# KiCad board ts52k.kicad_pcb
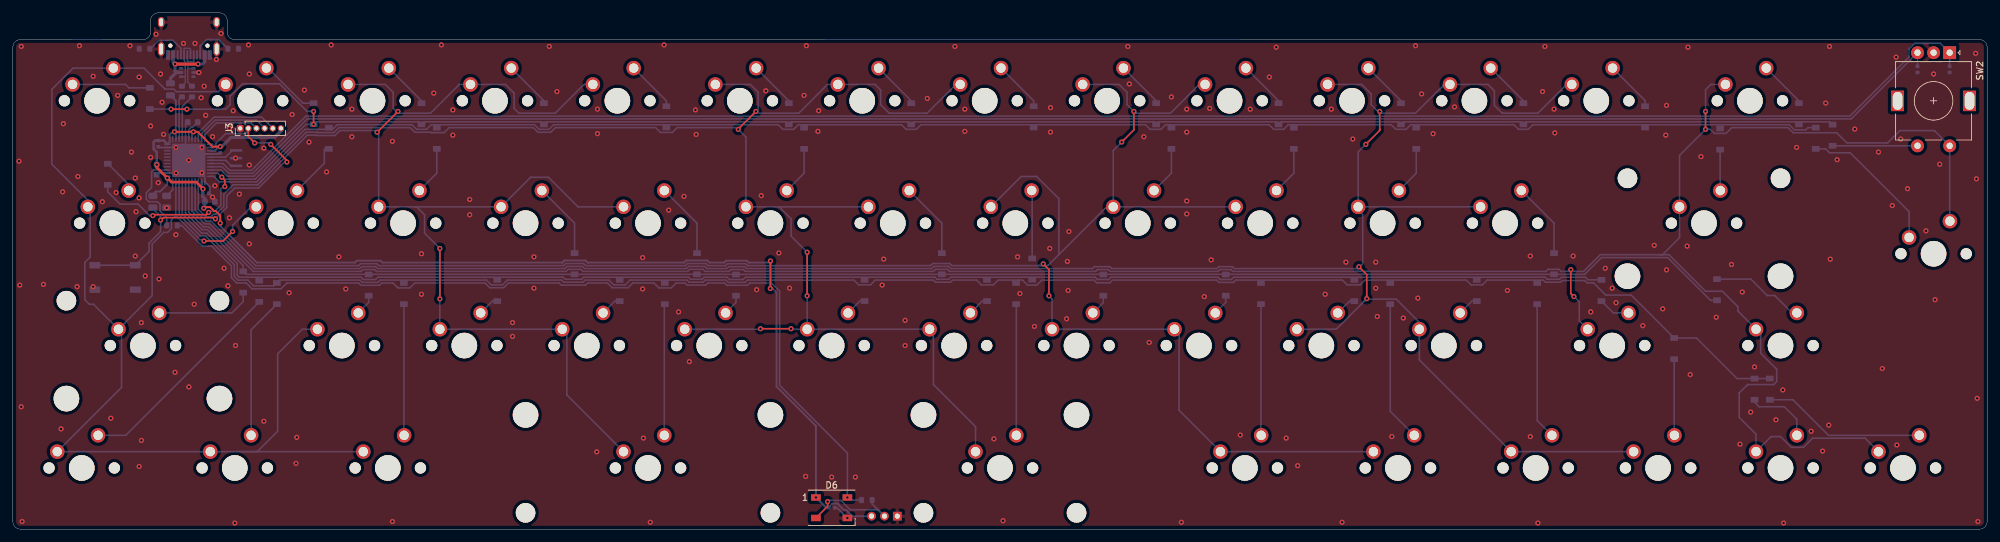
[diagram p0: board, top side]
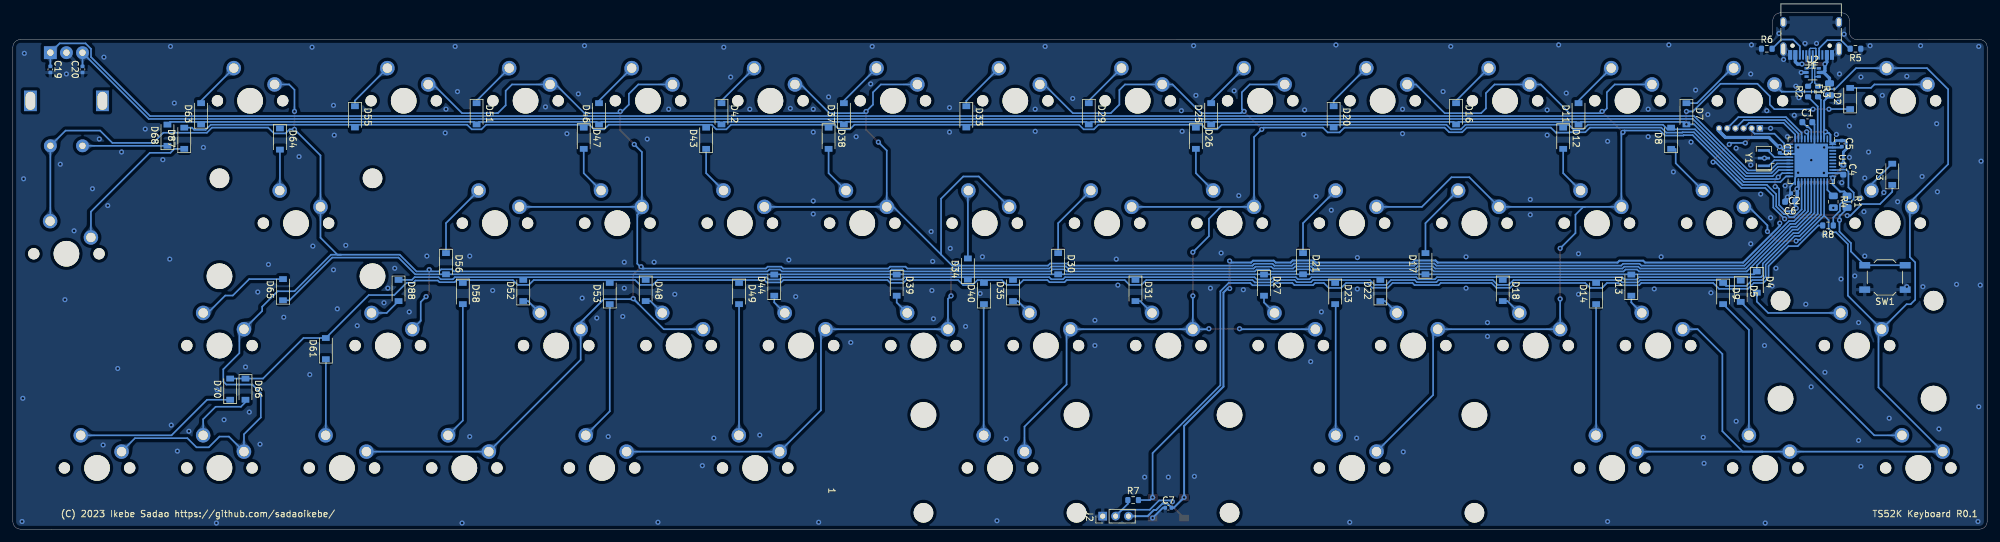
[diagram p1: board, bottom side, seen from below]

Outline 307.18 x 80.36 mm; copper layers: Top, Bottom. Coordinates in mm from the lower left corner of the outline.
Outline path: 0,75.01 arc(0.35,75.85) 1.19,76.2 20.25,76.19 arc(21.09,76.54) 21.44,77.38 21.44,79.17 arc(21.79,80.01) 22.63,80.36 32.16,80.36 arc(33,80.01) 33.35,79.17 33.35,77.38 arc(33.69,76.54) 34.54,76.19 305.99,76.2 arc(306.83,75.85) 307.18,75.01 307.18,1.19 arc(306.83,0.35) 305.99,0 301.23,0 1.19,0 arc(0.35,0.35) 0,1.19 0,75.01
Stack: Top 0.035mm / dielectric 1.51mm FR4 er 4.5 / Bottom 0.035mm

## Placement (name value [footprint] x y rotation side)
C1  1u  [C_0603_1608Metric]  27.98 63.34 180 bottom
C2  0.1u  [C_0402_1005Metric]  30 52.27 0 bottom
C3  0.1u  [C_0402_1005Metric]  32.27 59.06 270 bottom
C4  0.1u  [C_0603_1608Metric]  22.38 55.96 270 bottom
C5  0.1u  [C_0402_1005Metric]  22.62 60.01 270 bottom
C6  4.7u  [C_0603_1608Metric]  30.66 50.96 0 bottom
C7  0.1u  [C_0402_1005Metric]  127.4 3.33 180 bottom
C19  0.1u  [C_0402_1005Metric]  301.35 71.56 270 bottom
C20  0.1u  [C_0402_1005Metric]  296.35 71.56 90 bottom
D2  D  [D_SOD-123]  21.31 67.03 90 bottom
D3  D  [D_SOD-123]  14.76 55.23 90 bottom
D4  D  [D_SOD-123]  35.84 38.46 270 bottom
D5  D  [D_SOD-123]  38.34 37.03 270 bottom
D6  WS2812B  [LED_WS2812B_PLCC4_5.0x5.0mm_P3.2mm]  127.4 3.33 0 top
D7  D  [D_SOD-123]  46.79 64.65 270 bottom
D8  D  [D_SOD-123]  49.17 60.84 90 bottom
D9  D  [D_SOD-123]  41.08 36.67 270 bottom
D11  D  [D_SOD-123]  63.58 64.65 90 bottom
D12  D  [D_SOD-123]  65.96 60.84 270 bottom
D13  D  [D_SOD-123]  55.36 37.98 90 bottom
D14  D  [D_SOD-123]  60.84 36.67 90 bottom
D16  D  [D_SOD-123]  82.63 64.65 270 bottom
D17  D  [D_SOD-123]  87.39 41.31 90 bottom
D18  D  [D_SOD-123]  75.37 37.15 270 bottom
D20  D  [D_SOD-123]  101.68 64.17 270 bottom
D21  D  [D_SOD-123]  106.44 41.31 270 bottom
D22  D  [D_SOD-123]  94.42 37.15 90 bottom
D23  D  [D_SOD-123]  101.44 36.67 270 bottom
D25  D  [D_SOD-123]  120.73 64.65 90 bottom
D26  D  [D_SOD-123]  123.11 60.84 270 bottom
D27  D  [D_SOD-123]  112.51 37.98 270 bottom
D29  D  [D_SOD-123]  139.78 64.65 270 bottom
D30  D  [D_SOD-123]  144.54 41.31 270 bottom
D31  D  [D_SOD-123]  132.52 37.15 270 bottom
D33  D  [D_SOD-123]  158.83 64.17 270 bottom
D34  D  [D_SOD-123]  158.59 40.48 90 bottom
D35  D  [D_SOD-123]  151.57 37.15 90 bottom
D37  D  [D_SOD-123]  177.88 64.65 90 bottom
D38  D  [D_SOD-123]  180.26 60.84 270 bottom
D39  D  [D_SOD-123]  169.66 37.98 270 bottom
D40  D  [D_SOD-123]  156.09 36.67 90 bottom
D42  D  [D_SOD-123]  196.93 64.65 270 bottom
D43  D  [D_SOD-123]  199.31 60.84 90 bottom
D44  D  [D_SOD-123]  188.71 37.98 90 bottom
D46  D  [D_SOD-123]  215.98 64.65 90 bottom
D47  D  [D_SOD-123]  218.36 60.84 270 bottom
D48  D  [D_SOD-123]  208.72 37.15 270 bottom
D49  D  [D_SOD-123]  194.19 36.67 270 bottom
D51  D  [D_SOD-123]  235.03 64.65 270 bottom
D52  D  [D_SOD-123]  227.77 37.15 90 bottom
D53  D  [D_SOD-123]  214.31 36.67 90 bottom
D55  D  [D_SOD-123]  253.96 64.17 270 bottom
D56  D  [D_SOD-123]  239.79 41.31 270 bottom
D58  D  [D_SOD-123]  237.17 36.67 270 bottom
D61  D  [D_SOD-123]  258.49 28.1 90 bottom
D63  D  [D_SOD-123]  277.89 64.65 90 bottom
D64  D  [D_SOD-123]  265.63 60.72 270 bottom
D65  D  [D_SOD-123]  265.15 37.27 90 bottom
D66  D  [D_SOD-123]  270.99 21.79 270 bottom
D68  D  [D_SOD-123]  283.13 61.32 90 bottom
D70  D  [D_SOD-123]  273.37 21.79 90 bottom
D87  D  [D_SOD-123]  280.51 60.84 90 bottom
D88  D  [D_SOD-123]  247.17 37.15 270 bottom
F1  Resettable Fuse  [Fuse_0805_2012Metric]  24.53 68.45 90 bottom
J1  HRO_TYPE-C-31-M-12  [USB_C_Receptacle_HRO_TYPE-C-31-M-12]  27.39 77.86 0 bottom
J2  RGB  [PinHeader_1x03_P2.00mm_Vertical]  137.61 2.02 90 bottom
J3  ISP  [PinHeader_1x06_P1.27mm_Vertical]  35.36 62.39 90 top
MX2  MX-NoLED  [MXOnly-1.5U-NoLED]  13.1 66.68 0 top
MX3  MX-NoLED  [MXOnly-1.75U-NoLED]  15.48 47.63 0 top
MX4  MX-NoLED  [MXOnly-2.25U-NoLED]  20.24 28.58 0 top
MX5  MX-NoLED  [MXOnly-1.25U-NoLED]  10.72 9.53 0 top
MX7  MX-NoLED  [MXOnly-1U-NoLED]  36.91 66.68 0 top
MX8  MX-NoLED  [MXOnly-1U-NoLED]  41.67 47.63 0 top
MX9  MX-NoLED  [MXOnly-1.25U-NoLED]  34.53 9.53 0 top
MX11  MX-NoLED  [MXOnly-1U-NoLED]  55.96 66.68 0 top
MX12  MX-NoLED  [MXOnly-1U-NoLED]  60.72 47.63 0 top
MX13  MX-NoLED  [MXOnly-1U-NoLED]  51.2 28.58 0 top
MX14  MX-NoLED  [MXOnly-1.25U-NoLED]  58.34 9.53 0 top
MX16  MX-NoLED  [MXOnly-1U-NoLED]  75.01 66.68 0 top
MX17  MX-NoLED  [MXOnly-1U-NoLED]  79.77 47.63 0 top
MX18  MX-NoLED  [MXOnly-1U-NoLED]  70.25 28.58 0 top
MX20  MX-NoLED  [MXOnly-1U-NoLED]  94.06 66.68 0 top
MX21  MX-NoLED  [MXOnly-1U-NoLED]  98.82 47.63 0 top
MX22  MX-NoLED  [MXOnly-1U-NoLED]  89.3 28.58 0 top
MX23  MX-NoLED  [MXOnly-3U-ReversedStabilizers-NoLED]  98.82 9.53 0 top
MX25  MX-NoLED  [MXOnly-1U-NoLED]  113.11 66.68 0 top
MX26  MX-NoLED  [MXOnly-1U-NoLED]  117.87 47.63 0 top
MX27  MX-NoLED  [MXOnly-1U-NoLED]  108.35 28.58 0 top
MX29  MX-NoLED  [MXOnly-1U-NoLED]  132.16 66.68 0 top
MX30  MX-NoLED  [MXOnly-1U-NoLED]  136.92 47.63 0 top
MX31  MX-NoLED  [MXOnly-1U-NoLED]  127.4 28.58 0 top
MX33  MX-NoLED  [MXOnly-1U-NoLED]  151.21 66.68 0 top
MX34  MX-NoLED  [MXOnly-1U-NoLED]  155.97 47.63 0 top
MX35  MX-NoLED  [MXOnly-1U-NoLED]  146.45 28.58 0 top
MX37  MX-NoLED  [MXOnly-1U-NoLED]  170.26 66.68 0 top
MX38  MX-NoLED  [MXOnly-1U-NoLED]  175.02 47.63 0 top
MX39  MX-NoLED  [MXOnly-1U-NoLED]  165.5 28.58 0 top
MX42  MX-NoLED  [MXOnly-1U-NoLED]  189.31 66.68 0 top
MX43  MX-NoLED  [MXOnly-1U-NoLED]  194.07 47.63 0 top
MX44  MX-NoLED  [MXOnly-1U-NoLED]  184.55 28.58 0 top
MX46  MX-NoLED  [MXOnly-1U-NoLED]  208.36 66.68 0 top
MX47  MX-NoLED  [MXOnly-1U-NoLED]  213.12 47.63 0 top
MX48  MX-NoLED  [MXOnly-1U-NoLED]  203.6 28.58 0 top
MX51  MX-NoLED  [MXOnly-1U-NoLED]  227.41 66.68 0 top
MX52  MX-NoLED  [MXOnly-1U-NoLED]  222.65 28.58 0 top
MX55  MX-NoLED  [MXOnly-1U-NoLED]  246.37 66.68 0 top
MX56  MX-NoLED  [MXOnly-1U-NoLED]  232.17 47.63 0 top
MX58  MX-NoLED  [MXOnly-1U-NoLED]  236.93 9.53 0 top
MX60  MX-NoLED  [MXOnly-2.75U-ReversedStabilizers-NoLED]  153.59 9.53 0 top
MX61  MX-NoLED  [MXOnly-1U-NoLED]  255.98 9.53 0 top
MX64  MX-NoLED  [MXOnly-1.5U-NoLED]  270.27 66.68 0 top
MX65  MX-NoLED  [MXOnly-2.25U-NoLED]  263.13 47.63 0 top
MX66  MX-NoLED  [MXOnly-1U-NoLED]  275.03 28.58 0 top
MX67  MX-NoLED  [MXOnly-1U-NoLED]  275.03 9.53 0 top
MX71  MX-NoLED  [MXOnly-1U-NoLED]  294.08 9.53 0 top
MX74  MX-NoLED  [MXOnly-1U-NoLED]  298.85 42.86 0 top
MX75  MX-NoLED  [MXOnly-1.75U-NoLED]  248.84 28.58 0 top
MX81  MX-NoLED  [MXOnly-1.25U-NoLED]  191.69 9.53 0 top
MX82  MX-NoLED  [MXOnly-1.25U-NoLED]  215.5 9.53 0 top
R1  10k  [R_0805_2012Metric]  21.79 50.96 270 bottom
R2  22  [R_0603_1608Metric]  27.86 68.11 90 bottom
R3  22  [R_0603_1608Metric]  26.31 68.11 90 bottom
R4  10k  [R_0805_2012Metric]  23.93 50.96 270 bottom
R5  5.1k  [R_0603_1608Metric]  20.49 74.77 0 bottom
R6  5.1k  [R_0603_1608Metric]  34.28 74.77 180 bottom
R7  Open  [R_0603_1608Metric]  132.87 4.52 180 bottom
R8  330  [R_0603_1608Metric]  24.77 47.27 0 bottom
SW1  SW_SPST  [SW_SPST_TL3342]  15.9 39.18 0 bottom
SW2  RotaryEncoder_Switch  [RotaryEncoder_Alps_EC11E-Switch_Vertical_H20mm]  301.35 74.16 270 top
U1  ATMEGA32U4  [QFN-44-1EP_7x7mm_P0.5mm_EP5.2x5.2mm]  27.37 57.4 270 bottom
U2  TPD4E1U06  [SOT-363_SC-70-6]  27.15 71.08 180 bottom
Y1  CSTNE16  [Resonator_SMD_muRata_CSTxExxV-3Pin_3.0x1.1mm]  34.73 57.75 90 bottom

## Library data of the parts
C1 = -: LCSC: C15849
C2-C5 C7 C19 C20 = -: LCSC: C1525
C6 = -: LCSC: C19666
D2-D5 D7-D9 D11-D14 D16-D18 D20-D23 D25-D27 D29-D31 D33-D35 D37-D40 D42-D44 D46-D49 D51-D53 D55 D56 D58 D61 D63-D66 D68 D70 D87 D88 = -: LCSC: C81598
D6 = -: LCSC: C114586
F1 = -: LCSC: C269104; MPN: SMD0805B050TF
J1 = -: LCSC: C165948
R1 R4 = -: LCSC: C17414
R2 R3 = -: LCSC: C23345
R5 R6 = -: LCSC: C23186
R8 = -: LCSC: C23138
SW1 = -: LCSC: C318884
U1 = -: LCSC: C112161; SKU: 310010010
U2 = -: LCSC: C194628; MPN: TPD4E1U06DBV
Y1 = -: LCSC: C341521; MPN: CSTNE16M0V530000R0

## Footprints (pads in the part's own frame, mm; a bottom-side part is the same pattern mirrored in y, then rotated)
C_0402_1005Metric
  rrect 0.56x0.62 smd: 1(-0.48,0) 2(0.48,0)
C_0603_1608Metric
  rrect 0.9x0.95 smd: 1(-0.775,0) 2(0.775,0)
D_SOD-123
  rect 0.9x1.2 smd: 1(-1.65,0) 2(1.65,0)
Fuse_0805_2012Metric
  rrect 0.975x1.4 smd: 1(-0.938,0) 2(0.938,0)
LED_WS2812B_PLCC4_5.0x5.0mm_P3.2mm
  rect 1.5x1 smd: 1(-2.45,1.6) 2(-2.45,-1.6) 3(2.45,-1.6) 4(2.45,1.6)
MXOnly-1.5U-NoLED
  round 1.75 hole 1.75 unplated: (-5.08,0) (5.08,0)
  round 3.988 hole 3.988 unplated: (0,0)
  round 2.25 hole 1.47: 1(-3.81,2.54) 2(2.54,5.08)
MXOnly-1.25U-NoLED
  round 1.75 hole 1.75 unplated: (-5.08,0) (5.08,0)
  round 3.988 hole 3.988 unplated: (0,0)
  round 2.25 hole 1.47: 1(-3.81,2.54) 2(2.54,5.08)
MXOnly-1.75U-NoLED
  round 1.75 hole 1.75 unplated: (-5.08,0) (5.08,0)
  round 3.988 hole 3.988 unplated: (0,0)
  round 2.25 hole 1.47: 1(-3.81,2.54) 2(2.54,5.08)
MXOnly-1U-NoLED
  round 1.75 hole 1.75 unplated: (-5.08,0) (5.08,0)
  round 3.988 hole 3.988 unplated: (0,0)
  round 2.25 hole 1.47: 1(-3.81,2.54) 2(2.54,5.08)
MXOnly-2.25U-NoLED
  round 3.048 hole 3.048 unplated: (-11.906,6.985) (11.906,6.985)
  round 3.988 hole 3.988 unplated: (-11.906,-8.255) (0,0) (11.906,-8.255)
  round 1.75 hole 1.75 unplated: (-5.08,0) (5.08,0)
  round 2.25 hole 1.47: 1(-3.81,2.54) 2(2.54,5.08)
MXOnly-2.75U-ReversedStabilizers-NoLED
  round 3.988 hole 3.988 unplated: (-11.906,8.255) (0,0) (11.906,8.255)
  round 3.048 hole 3.048 unplated: (-11.906,-6.985) (11.906,-6.985)
  round 1.75 hole 1.75 unplated: (-5.08,0) (5.08,0)
  round 2.25 hole 1.47: 1(-3.81,2.54) 2(2.54,5.08)
MXOnly-3U-ReversedStabilizers-NoLED
  round 3.988 hole 3.988 unplated: (-19.05,8.255) (0,0) (19.05,8.255)
  round 3.048 hole 3.048 unplated: (-19.05,-6.985) (19.05,-6.985)
  round 1.75 hole 1.75 unplated: (-5.08,0) (5.08,0)
  round 2.25 hole 1.47: 1(-3.81,2.54) 2(2.54,5.08)
PinHeader_1x03_P2.00mm_Vertical
  rect 1.35x1.35 hole 0.8: 1(0,0)
  oval 1.35x1.35 hole 0.8: 2(0,-2) 3(0,-4)
PinHeader_1x06_P1.27mm_Vertical
  rect 1x1 hole 0.65: 1(0,0)
  oval 1x1 hole 0.65: 2(0,-1.27) 3(0,-2.54) 4(0,-3.81) 5(0,-5.08) 6(0,-6.35)
QFN-44-1EP_7x7mm_P0.5mm_EP5.2x5.2mm
  rrect 1.05x1.05 smd: (-1.95,-1.95) (-1.95,-0.65) (-1.95,0.65) (-1.95,1.95) (-0.65,-1.95) (-0.65,-0.65) (-0.65,0.65) (-0.65,1.95) (0.65,-1.95) (0.65,-0.65) (0.65,0.65) (0.65,1.95) (1.95,-1.95) (1.95,-0.65) (1.95,0.65) (1.95,1.95)
  rrect 1.075x0.25 smd: 1(-3.337,2.5) 2(-3.337,2) 3(-3.337,1.5) 4(-3.337,1) 5(-3.337,0.5) 6(-3.337,0) 7(-3.337,-0.5) 8(-3.337,-1) 9(-3.337,-1.5) 10(-3.337,-2) 11(-3.337,-2.5) 23(3.337,-2.5) 24(3.337,-2) 25(3.337,-1.5) 26(3.337,-1) 27(3.337,-0.5) 28(3.337,0) 29(3.337,0.5) 30(3.337,1) 31(3.337,1.5) 32(3.337,2) 33(3.337,2.5)
  rrect 0.25x1.075 smd: 12(-2.5,-3.337) 13(-2,-3.337) 14(-1.5,-3.337) 15(-1,-3.337) 16(-0.5,-3.337) 17(0,-3.337) 18(0.5,-3.337) 19(1,-3.337) 20(1.5,-3.337) 21(2,-3.337) 22(2.5,-3.337) 34(2.5,3.337) 35(2,3.337) 36(1.5,3.337) 37(1,3.337) 38(0.5,3.337) 39(0,3.337) 40(-0.5,3.337) 41(-1,3.337) 42(-1.5,3.337) 43(-2,3.337) 44(-2.5,3.337)
  rect 5.2x5.2 smd: 45(0,0)
R_0603_1608Metric
  rrect 0.8x0.95 smd: 1(-0.825,0) 2(0.825,0)
R_0805_2012Metric
  rrect 1.025x1.4 smd: 1(-0.912,0) 2(0.912,0)
Resonator_SMD_muRata_CSTxExxV-3Pin_3.0x1.1mm
  rect 0.4x1.9 smd: 1(-1.2,0) 2(0,0) 3(1.2,0)
RotaryEncoder_Alps_EC11E-Switch_Vertical_H20mm
  rect 2x2 hole 1: A(0,0)
  round 2 hole 1: B(0,-5) C(0,-2.5) S1(14.5,-5) S2(14.5,0)
  rect 3.2x2 hole 2.8x1.5: MP(7.5,3.1) MP(7.5,-8.1)
SOT-363_SC-70-6
  rect 0.65x0.4 smd: 1(-0.95,0.65) 2(-0.95,0) 3(-0.95,-0.65) 4(0.95,-0.65) 5(0.95,0) 6(0.95,0.65)
SW_SPST_TL3342
  rect 1.7x1 smd: 1(-3.15,1.9) 1(3.15,1.9) 2(-3.15,-1.9) 2(3.15,-1.9)
USB_C_Receptacle_HRO_TYPE-C-31-M-12
  round 0.65 hole 0.65 unplated: (-2.89,2.6) (2.89,2.6)
  rect 0.6x1.45 smd: A1(-3.25,4.045) A4(-2.45,4.045) A9(2.45,4.045) A12(3.25,4.045) B1(3.25,4.045) B4(2.45,4.045) B9(-2.45,4.045) B12(-3.25,4.045)
  rect 0.3x1.45 smd: A5(-1.25,4.045) A6(-0.25,4.045) A7(0.25,4.045) A8(1.25,4.045) B5(1.75,4.045) B6(0.75,4.045) B7(-0.75,4.045) B8(-1.75,4.045)
  oval 1x1.6 hole 0.6x1.2: S1(-4.32,-1.05) S1(4.32,-1.05)
  oval 1x2.1 hole 0.6x1.7: S1(-4.32,3.13) S1(4.32,3.13)

## Nets
+5V: C2.1 C3.1 C4.1 C5.1 C6.1 C7.2 D6.1 F1.1 J2.3 J3.6 R1.1 U1.2 U1.7 U1.14 U1.24 U1.34 U1.44
GND: C1.2 C2.2 C3.2 C4.2 C5.2 C6.2 C7.1 C19.2 C20.1 D6.3 J1.A1 J1.A12 J1.B1 J1.B12 J1.S1 J2.1 J3.1 R4.2 R5.1 R6.1 SW1.1 SW2.C U1.5 U1.15 U1.23 U1.35 U1.43 U1.45 U2.2 Y1.2
VCC: F1.2 J1.A4 J1.A9 J1.B4 J1.B9 U2.5
col1: MX2.2 MX3.1 MX4.1 MX5.1 MX7.1 MX8.1 MX9.1 MX13.1 MX14.1 U1.32
col2: MX11.1 MX12.1 MX16.1 MX17.1 MX18.1 MX20.1 MX21.1 MX22.1 MX23.1 U1.25
col3: MX25.1 MX26.1 MX27.1 MX29.1 MX30.1 MX31.1 MX33.1 MX35.1 MX60.1 U1.22
col4: MX34.1 MX37.1 MX38.1 MX39.1 MX42.1 MX43.1 MX44.1 MX81.1 MX82.1 U1.26
col5: MX46.1 MX47.1 MX48.1 MX51.1 MX52.1 MX55.1 MX56.1 MX58.1 MX61.1 U1.27
col6: MX64.1 MX65.1 MX66.1 MX67.1 MX71.1 MX74.2 MX75.1 SW2.S2 U1.28
D+: J1.A6 J1.B6 R2.2 U2.1
D-: J1.A7 J1.B7 R3.2 U2.4
MISO: J3.3 U1.11
MOSI: J3.4 U1.10
RESET: J3.2 R1.2 SW1.2 U1.13
RGB: R8.1 U1.36
RGB2: D6.2 J2.2 R7.1
row1: D2.1 D7.2 D11.1 D16.2 D25.1 D29.2 D37.1 D42.2 D46.1 D51.2 D63.1 D68.2 U1.20
row2: D3.1 D8.2 D12.1 D20.2 D26.1 D33.2 D38.1 D43.2 D47.1 D55.2 D64.1 D87.2 U1.21
row3: D4.1 D13.2 D17.1 D21.2 D27.1 D30.2 D39.1 D44.2 D56.2 D65.1 U1.29
row4: D5.1 D18.1 D22.2 D31.1 D34.1 D35.2 D48.1 D52.2 D88.1 U1.30
row5: D9.1 D14.2 D23.1 D40.2 D49.1 D53.2 D58.1 D61.2 D66.1 D70.2 U1.31
rpg1: C19.1 SW2.A U1.18
rpg2: C20.2 SW2.B U1.19
SCLK: J3.5 U1.9
Net-(C1-Pad1): C1.1 U1.6
Net-(D2-Pad2): D2.2 MX2.1
Net-(D3-Pad2): D3.2 MX3.2
Net-(D4-Pad2): D4.2 MX4.2
Net-(D5-Pad2): D5.2 MX5.2
Net-(D6-Pad4): D6.4 R7.2 R8.2
Net-(D7-Pad1): D7.1 MX7.2
Net-(D8-Pad1): D8.1 MX8.2
Net-(D9-Pad2): D9.2 MX9.2
Net-(D11-Pad2): D11.2 MX11.2
Net-(D12-Pad2): D12.2 MX12.2
Net-(D13-Pad1): D13.1 MX13.2
Net-(D14-Pad1): D14.1 MX14.2
Net-(D16-Pad1): D16.1 MX16.2
Net-(D17-Pad2): D17.2 MX17.2
Net-(D18-Pad2): D18.2 MX18.2
Net-(D20-Pad1): D20.1 MX20.2
Net-(D21-Pad1): D21.1 MX21.2
Net-(D22-Pad1): D22.1 MX22.2
Net-(D23-Pad2): D23.2 MX23.2
Net-(D25-Pad2): D25.2 MX25.2
Net-(D26-Pad2): D26.2 MX26.2
Net-(D27-Pad2): D27.2 MX27.2
Net-(D29-Pad1): D29.1 MX29.2
Net-(D30-Pad1): D30.1 MX30.2
Net-(D31-Pad2): D31.2 MX31.2
Net-(D33-Pad1): D33.1 MX33.2
Net-(D34-Pad2): D34.2 MX34.2
Net-(D35-Pad1): D35.1 MX35.2
Net-(D37-Pad2): D37.2 MX37.2
Net-(D38-Pad2): D38.2 MX38.2
Net-(D39-Pad2): D39.2 MX39.2
Net-(D40-Pad1): D40.1 MX60.2
Net-(D42-Pad1): D42.1 MX42.2
Net-(D43-Pad1): D43.1 MX43.2
Net-(D44-Pad1): D44.1 MX44.2
Net-(D46-Pad2): D46.2 MX46.2
Net-(D47-Pad2): D47.2 MX47.2
Net-(D48-Pad2): D48.2 MX48.2
Net-(D49-Pad2): D49.2 MX81.2
Net-(D51-Pad1): D51.1 MX51.2
Net-(D52-Pad1): D52.1 MX52.2
Net-(D53-Pad1): D53.1 MX82.2
Net-(D55-Pad1): D55.1 MX55.2
Net-(D56-Pad1): D56.1 MX56.2
Net-(D58-Pad2): D58.2 MX58.2
Net-(D61-Pad1): D61.1 MX61.2
Net-(D63-Pad2): D63.2 MX64.2
Net-(D64-Pad2): D64.2 MX65.2
Net-(D65-Pad2): D65.2 MX66.2
Net-(D66-Pad2): D66.2 MX67.2
Net-(D68-Pad1): D68.1 SW2.S1
Net-(D70-Pad1): D70.1 MX71.2
Net-(D87-Pad1): D87.1 MX74.1
Net-(D88-Pad2): D88.2 MX75.2
Net-(J1-PadA5): J1.A5 R5.2
Net-(J1-PadB5): J1.B5 R6.2
Net-(R2-Pad1): R2.1 U1.4
Net-(R3-Pad1): R3.1 U1.3
Net-(R4-Pad1): R4.1 U1.33
Net-(U1-Pad16): U1.16 Y1.3
Net-(U1-Pad17): U1.17 Y1.1

Pads without a net: J1 A8 B8; SW2 MP; U1 1 8 12 37 38 39 40 41 42; U2 3 6

## Via types
v1: diameter 0.8, hole 0.4, Top to Bottom, 290 vias

## Routing (per net, layer and track width the routed paths; a pad name or vN(x,y) marks a point on that pad's centre or on a via; arc(x,y) is an arc through that point)
+5V: length 202.7
  Top w0.3: v1(32.27,47.63) 32.27,48.81 31.55,49.53 31.3,49.53 30.7,50.13 29.88,50.13 v1(29.7,49.95) ; v1(32.28,59.53) 31.07,59.53 28.76,61.84 v1(28.09,61.84) v1(25.14,61.84) ; v1(117.85,37.45) 117.87,37.47 v1(117.87,41.74)
  Top w0.4: v1(22.38,56.73) 22.38,56.3 v1(24.03,54.65) 24.05,54.65 24.68,54.02 28.54,54.02 v1(29.59,52.96)
  Bottom w0.3: F1.1 25.37,66.67 25.37,61.67 ; U1.14 31.48,58.9 32.11,59.54 ; v1(25.14,61.84) 24.97,61.67 24.67,61.67 ; C7.2 126.55,3.33 v1(124.95,4.93) 124.95,16.07 118.83,22.19 118.83,36.83 118.21,37.45 v1(117.85,37.45) ; 24.67,61.67 24.39,61.39 24.39,60.23 24.07,59.9 U1.44 ; 24.67,61.67 25.37,61.67 ; 32.1,59.54 32.15,59.54 ; 21.55,51.87 22.23,52.55 22.9,52.55 24.03,53.67 U1.34 ; 85.5,41.49 85.83,41.81 ; 85.5,41.49 57.51,41.49 57.22,41.78 53.51,41.78 53.22,41.49 37.96,41.49 32.27,47.19 v1(32.27,47.63) ; 85.5,41.49 85.83,41.81 ; v1(28.09,61.84) 27.87,61.62 U1.7 ; 85.83,41.81 89.09,41.81 89.42,41.49 104.44,41.49 104.77,41.81 108.05,41.81 108.37,41.49 110.7,41.49 110.99,41.78 114.22,41.78 114.51,41.49 117.62,41.49 v1(117.87,41.74) ; U1.2 25.37,61.67 ; 29.52,52.74 29.37,52.9 U1.24 29.37,53.19 v1(29.59,52.96) ; 126.92,3.38 127.53,3.99 128.29,3.99 129.31,2.98 129.66,2.98 130.62,2.02 J2.3
  Bottom w0.4: v1(29.7,49.95) 29.88,50.13 C6.1 ; 24.03,59.95 23.49,60.49 C5.1 22.15,60.49 21.91,60.25 21.91,59.17 22.38,58.69 v1(22.38,56.73)
  Bottom w0.5: C3.1 32.51,59.54 33.93,60.96 40.72,60.96 41.67,61.91 ; 40.84,61.08 41.87,62.11 ; 29.88,51.44 29.52,51.79 29.52,52.74
GND: length 34.4
  Bottom w0.25: C1.2 26.87,63 U1.5 26.87,57.9 U1.45 27.37,57.17 v1(29.41,55.48) 29.87,54.67 U1.23 29.87,54.07 30.66,53.28 30.66,52.09
  Bottom w0.3: U1.45 28.37,58.4 U1.15 32.09,58.4 C3.2 ; U1.45 v1(27.36,57.43) v1(25.37,59.4) U1.43 22.75,59.4 ; U1.45 v1(25.4,55.44) 25.37,55.4 U1.35 22.82,55.4 ; v1(129.85,1.73) 128.25,3.33 C7.1
  Bottom w0.35: C2.2 31.43,51.32 C6.2
  Bottom w0.5: v1(28.93,71.08) U2.2
  vias: v1(0.95,57.27) v1(1.07,37.98) v1(1.31,75.13) v1(1.31,19.05) v1(1.43,1.19) v1(4.76,38.1) v1(7.5,15.6) v1(7.74,52.51) v1(7.86,63.1) v1(10,37.74) v1(10.12,54.89) v1(10.36,75.25) v1(12.5,70.49) v1(12.5,37.74) v1(13.93,50.96) v1(15.24,17.26) v1(16.07,52.39) v1(16.31,67.51) v1(18.22,75.25) v1(18.45,58.7) v1(19.05,54.65) v1(19.05,42.51) v1(19.17,49.41) v1(19.65,70.37) v1(19.65,51.55) v1(19.65,9.76) v1(20,32.15) v1(20,13.81) v1(20.6,39.41) v1(21.43,62.75) v1(21.43,57.86) v1(22.26,77.03) v1(22.62,53.94) v1(22.74,38.93) v1(22.98,70.84) v1(23.22,66.44) v1(23.46,61.44) v1(23.93,50.01) v1(25.24,24.41) v1(25.36,45.84) v1(26.55,75.61) v1(27.38,22.15) v1(28.22,35) v1(28.34,75.61) v1(29.29,67.15) v1(29.41,59.41) v1(29.77,68.94) v1(30,64.41) v1(31.08,61.08) v1(31.08,51.67) v1(31.43,53.46) v1(31.67,73.1) v1(32.39,77.15) v1(32.86,40.6) v1(33.46,37.86) v1(33.69,62.39) v1(33.69,48.46) v1(34.29,65.13) v1(34.53,0.95) v1(34.65,57.75) v1(34.65,28.58) v1(35.24,52.15) v1(36.67,75.37) v1(36.79,70.84) v1(36.79,56.67) v1(36.79,44.41) v1(39.05,59.29) v1(39.05,16.79) v1(42.98,36.79) v1(43.46,64.53) v1(44.05,10.24) v1(44.17,14.29) v1(45.36,68.34) v1(46.08,60.25) v1(48.82,55.6) v1(49.53,75.37) v1(50.72,42.39) v1(51.79,37.39) v1(52.74,65.37) v1(52.74,61.08) v1(59.06,60.36) v1(59.06,1.19) v1(63.58,42.86) v1(63.58,36.55) v1(65.48,67.87) v1(66.68,75.37) v1(68.46,65.25) v1(68.46,61.32) v1(71.08,51.32) v1(71.08,48.93) v1(77.75,32.15) v1(77.75,30) v1(81.08,42.39) v1(81.08,37.5) v1(83.46,75.13) v1(84.65,68.1) v1(90.85,12.03) v1(90.96,65.37) v1(90.96,61.56) v1(97.99,42.27) v1(97.99,37.39) v1(98.11,14.17) v1(99.18,1.07) v1(101.32,75.37) v1(102.04,49.65) v1(103.58,33.81) v1(104.42,51.79) v1(105.25,26.07) v1(106.2,65.25) v1(106.32,61.44) v1(115.73,37.27) v1(116.44,51.91) v1(117.16,68.22) v1(119.18,42.98) v1(120.85,37.5) v1(123.11,67.51) v1(123.35,8.22) v1(123.47,75.25) v1(125.25,61.91) v1(125.37,65.13) v1(127.4,8.1) v1(131.09,8.1) v1(135.26,37.98) v1(135.49,42.03) v1(138.83,32.5) v1(138.83,28.58) v1(142.28,67.03) v1(146.57,75.13) v1(148.11,65.37) v1(148.11,61.91) v1(152.64,14.05) v1(154.07,1.31) v1(156.33,42.39) v1(156.69,36.67) v1(158.95,31.55) v1(161.33,43.7) v1(161.45,65.6) v1(161.45,61.79) v1(163.95,32.74) v1(164.07,41.67) v1(164.19,37.15) v1(164.31,46.32) v1(173.47,75.13) v1(173.71,69.29) v1(175.98,61.08) v1(176.81,29.05) v1(180.26,67.27) v1(181.81,1.07) v1(182.64,65.37) v1(182.64,61.79) v1(182.64,51.08) v1(182.64,49.05) v1(185.38,36.2) v1(186.21,65.48) v1(186.45,41.91) v1(190.98,14.64) v1(192.52,65.37) v1(195.5,70.37) v1(196.57,75.01) v1(198.12,14.17) v1(199.91,9.88) v1(204.19,36.55) v1(205.15,65.37) v1(206.81,1.07) v1(207.41,41.55) v1(208.48,60.72) v1(212.05,41.55) v1(212.05,37.5) v1(212.29,33.1) v1(214.55,14.41) v1(216.34,32.86) v1(218.24,75.25) v1(218.6,35.96) v1(219.19,67.75) v1(220.98,61.56) v1(224.31,65.72) v1(232.53,37.15) v1(236.1,42.51) v1(236.1,14.41) v1(237.29,0.95) v1(238.01,68.1) v1(238.36,75.13) v1(239.79,65.37) v1(239.91,61.67) v1(242.77,42.51) v1(245.51,33.81) v1(247.77,40.6) v1(248.84,37.5) v1(249.44,35.24) v1(253.6,31.67) v1(255.39,44.17) v1(256.7,34.29) v1(257.18,61.32) v1(257.3,65.96) v1(257.3,40.36) v1(260.51,44.05) v1(260.63,75.01) v1(260.99,24.05) v1(262.65,57.98) v1(265.03,32.98) v1(267.42,41.2) v1(268.73,13.22) v1(269.08,36.91) v1(270.39,18.22) v1(270.99,25.24) v1(274.32,17.03) v1(275.39,21.67) v1(275.51,0.95) v1(277.54,59.41) v1(279.8,15.24) v1(281.58,12.14) v1(282.06,66.32) v1(282.54,16.19) v1(282.66,75.13) v1(282.77,42.03) v1(283.85,57.51) v1(286.58,62.27) v1(290.28,58.7) v1(290.87,25) v1(292.42,50.36) v1(293.01,73.46) v1(293.13,13.1) v1(293.73,60.72) v1(294.8,52.98) v1(297.66,46.43) v1(298.85,70.84) v1(299.09,35.72) v1(299.8,56.79) v1(305.4,74.06) v1(305.52,54.53) v1(305.63,20.36) v1(305.75,1.19)
VCC: length 12.3
  Top w0.5: v1(25.24,72.39) v1(28.81,72.39)
  Bottom w0.5: J1.A9 29.84,72.74 29.5,72.39 v1(28.81,72.39) ; F1.2 24.53,70.19 25.42,71.08 U2.5 25.48,71.08 25.24,71.32 v1(25.24,72.39) 24.94,72.69 J1.A4
col1: length 213.8
  Top w0.25: v1(34.19,46.33) 32.7,44.85 v1(29.73,44.85)
  Bottom w0.25: v1(29.73,44.85) 29.92,45.04 29.13,45.04 25.37,48.8 25.37,48.81 ; 16.91,30.64 16.91,22.07 MX5.1 MX9.1 34.93,12.07 ; U1.32 25.37,48.81 ; 25.37,48.81 24.67,48.11 24.67,46.78 24.09,46.2 23.5,46.2 21.67,44.36 21.67,36.35 MX4.1 12.54,35 11.91,35 11.19,35.72 11.19,41.52 12.03,42.35 12.03,49.81 ; MX13.1 45.05,31.12 41.2,27.27 41.2,15.24 38.02,12.07 34.93,12.07 ; 34.93,12.07 MX14.1 ; MX7.1 31.97,68.09 25.45,68.09 25.06,68.48 23.67,68.48 20.4,71.76 9.37,71.76 6.07,68.46 6.07,56.79 11.67,51.2 MX3.1 ; 37.07,50.17 34.19,47.28 v1(34.19,46.33)
col2: length 210.9
  Top w0.25: v1(59.91,65.02) 59.91,65.01 v1(56.67,61.77) ; v1(66.44,35.84) v1(66.44,43.7)
  Bottom w0.25: v1(59.91,65.02) 59.91,64.8 59.89,64.77 ; U1.25 28.87,49.76 30.04,48.58 30.77,48.58 31.22,49.02 31.61,49.02 32.82,50.24 32.82,52.13 34.28,53.59 38.08,53.59 ; 39.04,54.55 38.08,53.59 ; 39.04,54.55 45.82,61.33 47.2,61.33 47.26,61.27 50.12,61.27 50.89,62.04 56.44,62.04 56.67,61.81 v1(56.67,61.77) ; 39.04,54.55 38.08,53.59 ; MX11.1 57.94,69.22 59.17,67.98 59.17,65.48 59.89,64.77 ; v1(66.44,43.7) 64.06,46.08 64.06,48.93 62.83,50.17 62.59,50.17 ; 59.89,64.77 59.91,64.74 64.98,64.74 69.45,69.22 MX16.1 76.64,69.22 77.99,67.87 77.99,65.48 78.73,64.74 84.39,64.74 88.86,69.22 MX20.1 ; v1(56.67,61.77) 56.91,61.53 MX12.1 62.59,50.17 ; v1(56.67,61.77) 56.4,62.04 ; MX23.1 86.2,20.88 86.2,30.4 85.49,31.12 MX18.1 66.44,35.84 v1(66.44,35.84) ; 62.59,50.17 MX17.1 80.57,54.77 83.34,54.77 87.95,50.17 MX21.1